# Altium PCB BEAGLEPLAYV020_220915.brd.PcbDoc (part 11 of 12)
Units mm, origin at the board's own origin, x right, y up, seen from the top; angles counter-clockwise.
Board outline 80 x 80 mm, 8 copper layers (TOP, LYR2_GND, LYR3, LAY4_PWR1, LAY5_PWR2, LAY6, LYR7_GND, BOTTOM), stack 1.545 mm thick; 782 components, 546 nets, 2864 pads, 2056 vias.
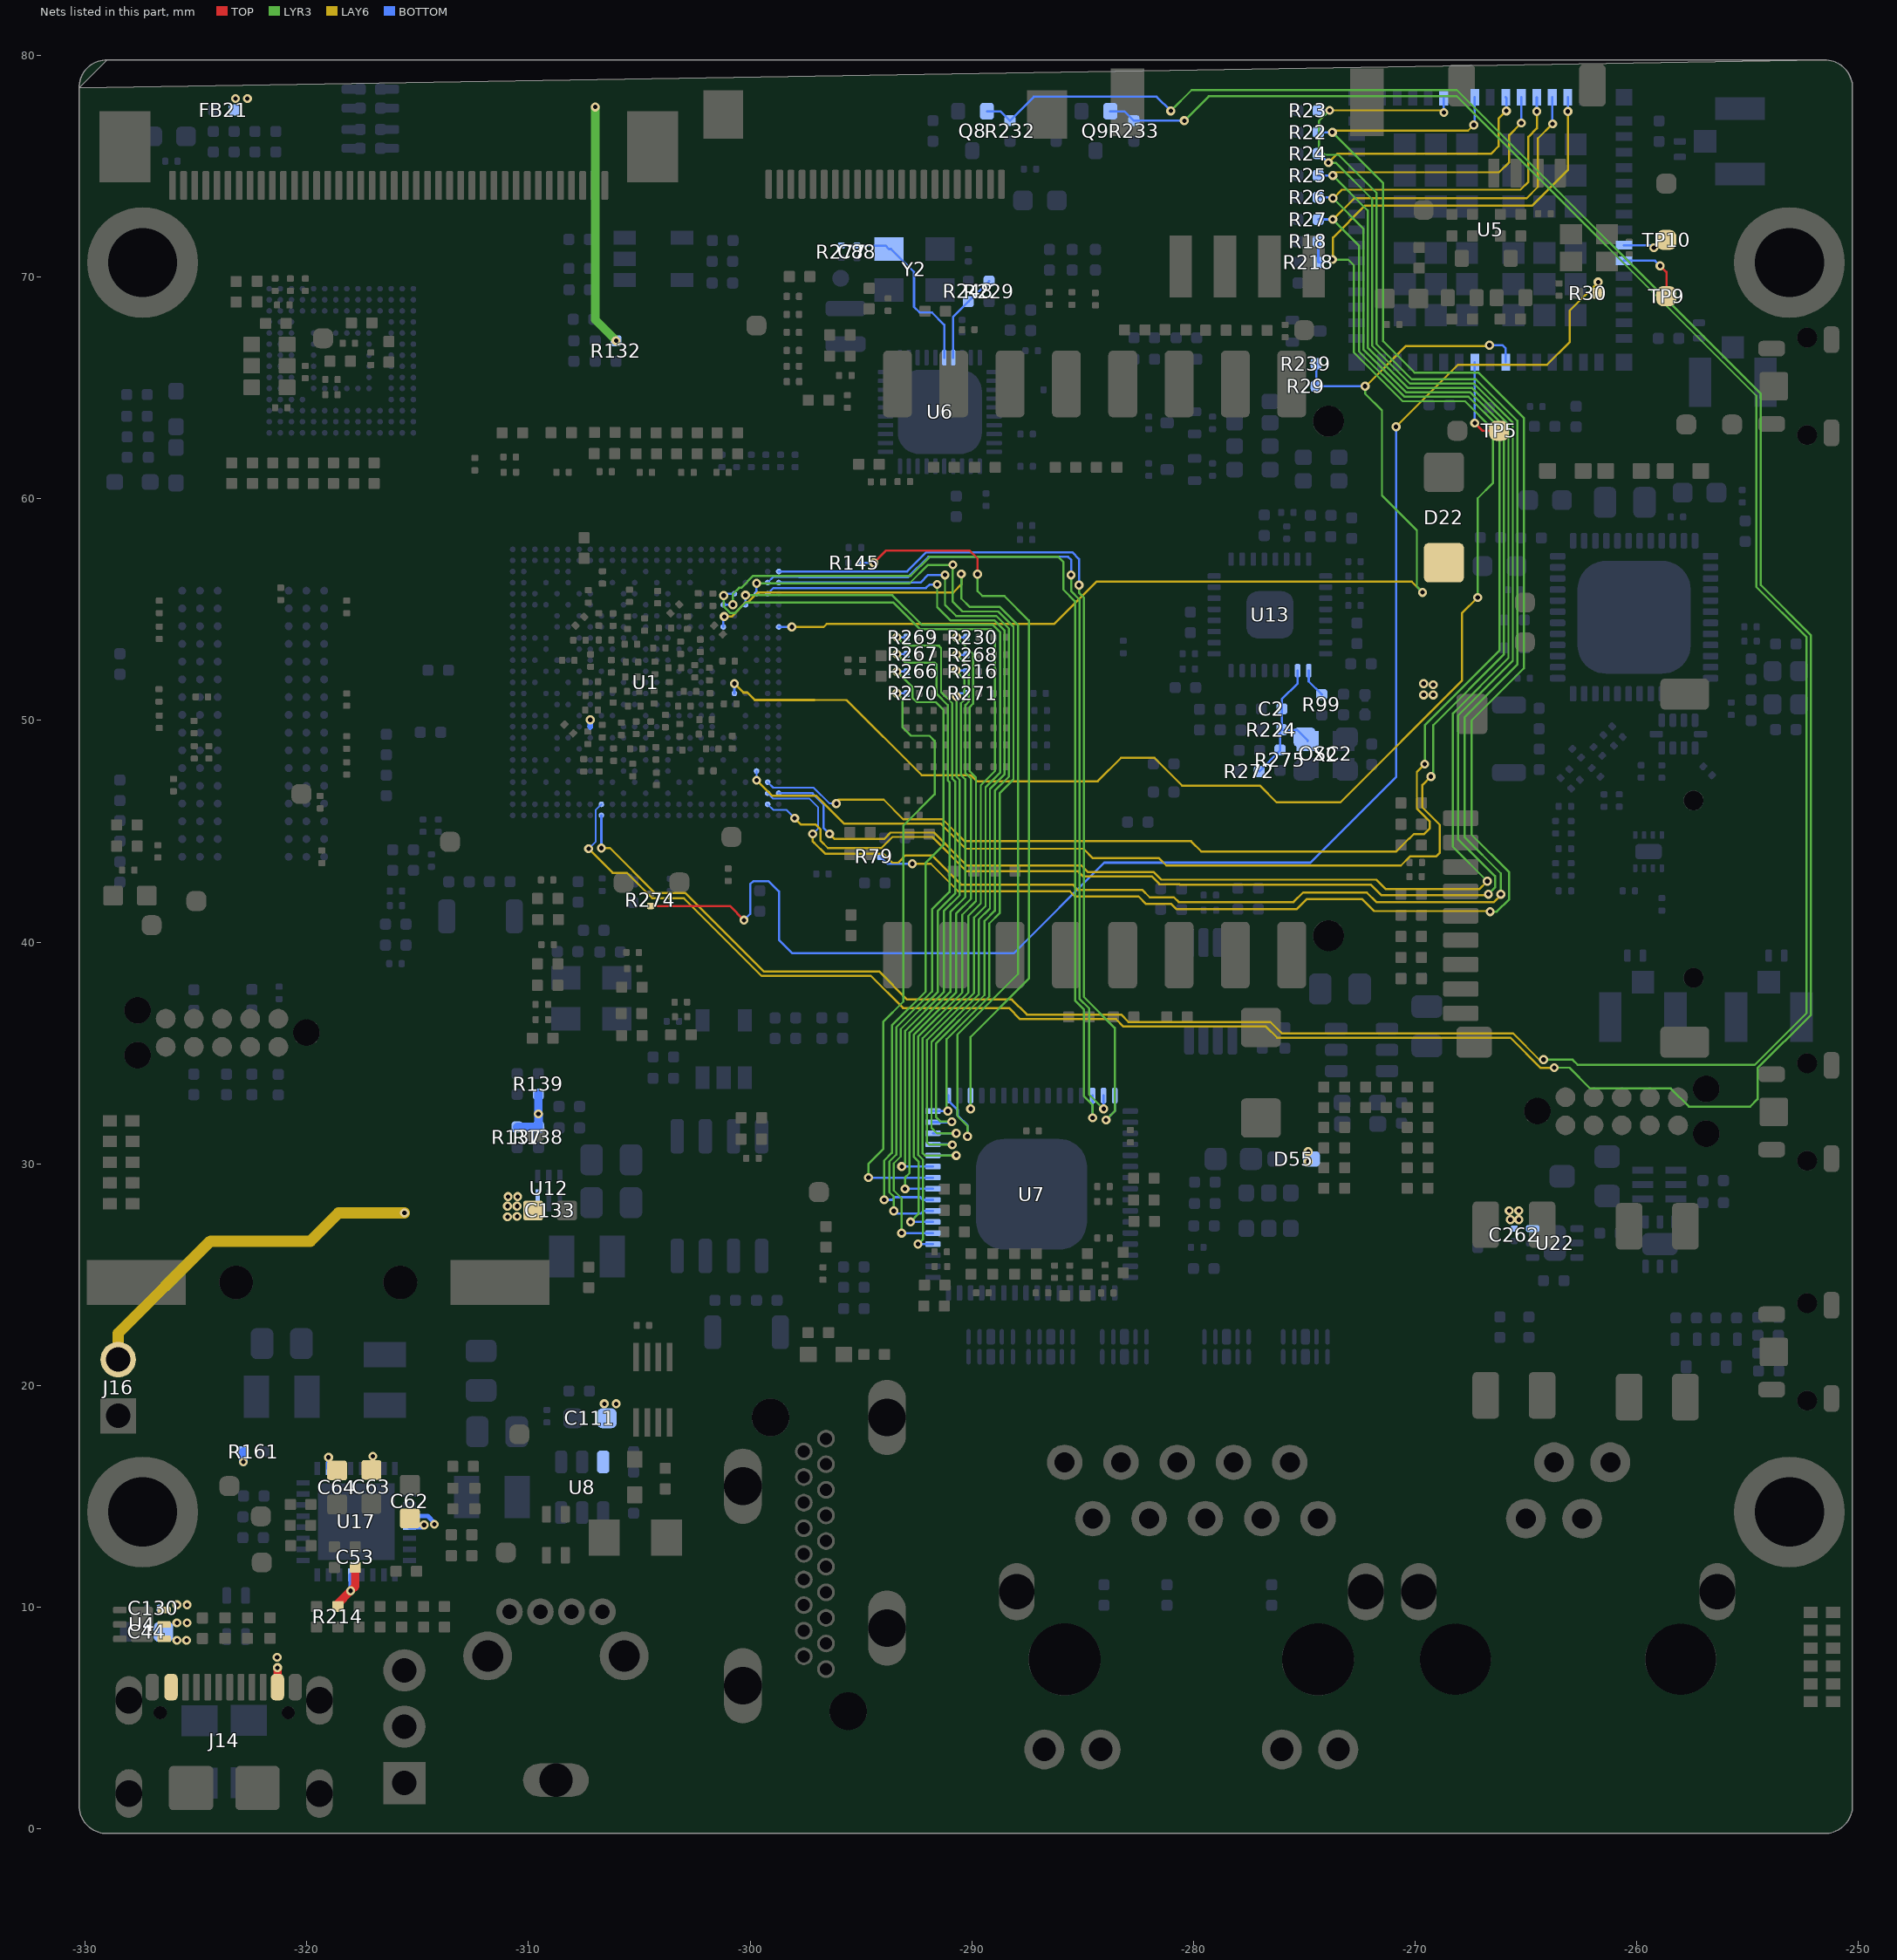
[diagram p17: the nets of this part, all layers, seen from the top]

## Via types
v1: diameter 0.406/0/0.406/0/0/0/0/0.406 (per signal layer), hole 0.203, TOP to BOTTOM, 334 vias
v2: diameter 0.406/0.406/0/0/0/0/0.406/0.406 (per signal layer), hole 0.203, TOP to BOTTOM, 282 vias
v3: diameter 0.406/0/0/0/0/0.406/0/0.406 (per signal layer), hole 0.203, TOP to BOTTOM, 255 vias
v4: diameter 0.406/0.406/0/0/0/0.406/0.406/0.406 (per signal layer), hole 0.203, TOP to BOTTOM, 253 vias
v5: diameter 0.406, hole 0.203, TOP to BOTTOM, 212 vias
v6: diameter 0.406/0.406/0.406/0/0/0.406/0.406/0.406 (per signal layer), hole 0.203, TOP to BOTTOM, 173 vias
v7: diameter 0.406/0/0/0.406/0/0/0/0.406 (per signal layer), hole 0.203, TOP to BOTTOM, 131 vias
v8: diameter 0.406/0/0/0/0.406/0/0/0.406 (per signal layer), hole 0.203, TOP to BOTTOM, 98 vias
v9: diameter 0.406/0.406/0/0.406/0/0/0.406/0.406 (per signal layer), hole 0.203, TOP to BOTTOM, 93 vias
v10: diameter 0.406/0/0.406/0/0/0.406/0/0.406 (per signal layer), hole 0.203, TOP to BOTTOM, 87 vias
v11: diameter 0.406/0.406/0/0.406/0/0.406/0.406/0.406 (per signal layer), hole 0.203, TOP to BOTTOM, 44 vias
v12: diameter 0.406/0.406/0.406/0.406/0/0.406/0.406/0.406 (per signal layer), hole 0.203, TOP to BOTTOM, 40 vias
v13: diameter 0.406/0.406/0.406/0/0/0/0.406/0.406 (per signal layer), hole 0.203, TOP to BOTTOM, 19 vias
v14: diameter 0.406/0/0/0.406/0/0.406/0/0.406 (per signal layer), hole 0.203, TOP to BOTTOM, 15 vias
v15: diameter 0.406/0/0/0/0.406/0.406/0/0.406 (per signal layer), hole 0.203, TOP to BOTTOM, 13 vias
v16: diameter 0.406/0/0.406/0/0.406/0/0/0.406 (per signal layer), hole 0.203, TOP to BOTTOM, 3 vias
v17: diameter 0.406/0/0.406/0.406/0/0/0/0.406 (per signal layer), hole 0.203, TOP to BOTTOM, 3 vias
v18: diameter 0.406/0.406/0.406/0.406/0/0/0.406/0.406 (per signal layer), hole 0.203, TOP to BOTTOM, 1 vias

## Nets (pads, with @x,y where several pads share a name; then routed paths per layer and width w, separated by ;. In a path a pad name is that pad's centre, name@x,y a point inside that pad or via, vN(x,y) a via of type N, cw(c..) or ccw(c..) an arc to the next point about the centre after c; other vN are vias at no path point) (continued)
VOUT0_D10: U1.V20 U7.49 | length 43
  LYR3 w0.097: v10(-290.477,56.606) -290.474,56.604 -290.474,55.499 -290.093,55.118 -288.738,55.118 -287.924,54.304 -287.924,38.561 -290.652,35.833 -290.652,32.156 -290.195,31.699 v1(-290.195,31.242)
  LAY6 w0.097: -297.104,55.781 -290.827,55.781 -290.477,56.131 v10(-290.477,56.606)
  LAY6 w0.102: v3(-301.17,54.685) -300.839,54.685 -300.18,55.344 -300.085,55.344 -299.648,55.781 -297.104,55.781
  BOTTOM w0.102: U1.V20@-301.211,54.219 -301.211,54.645 v3(-301.17,54.685) ; U7.49@-291.055,33.081 -291.055,32.855 -290.639,32.439 -290.639,32.186 -290.195,31.742 v1(-290.195,31.242)
VOUT0_D11: U1.AA23 U7.48 | length 38.3
  LYR3 w0.097: -297.104,56.187 -292.814,56.187 -291.981,57.02 v1(-290.858,57.02) -290.858,55.349 -290.426,54.917 -288.818,54.917 -288.122,54.222 -288.122,47.346 -288.74,46.728 -288.74,41.318 -289.214,40.843 -289.214,37.551 -291.135,35.631 -291.135,32.431 v1(-291.085,32.381)
  LYR3 w0.102: v1(-299.711,56.187) -297.104,56.187
  BOTTOM w0.102: U1.AA23@-299.711,55.719 v1(-299.711,56.187) ; U7.48@-291.755,32.381 v1(-291.085,32.381)
VOUT0_D12: U1.AB25 U7.47 | length 37.4
  LYR3 w0.097: v1(-291.211,56.566) -291.211,55.22 -290.711,54.719 -288.9,54.719 -288.32,54.14 -288.32,47.473 -288.966,46.827 -288.966,41.417 -289.431,40.952 -289.431,37.615 -291.622,35.423 -291.622,32.111 -291.414,31.902 v1(-290.906,31.902)
  BOTTOM w0.102: U1.AB25@-298.711,56.219 -292.319,56.219 -291.973,56.566 v1(-291.211,56.566) ; U7.47@-291.755,31.881 -290.928,31.881 v1(-290.906,31.902)
VOUT0_D13: U1.AA24 U7.46 | length 38.4
  LYR3 w0.097: v1(-291.564,56.134) -291.564,55.115 -290.97,54.521 -288.982,54.521 -288.519,54.057 -288.519,47.573 -289.184,46.908 -289.184,41.524 -289.685,41.023 -289.685,37.641 -291.821,35.506 -291.821,31.623 -291.579,31.381 v1(-290.703,31.381)
  BOTTOM w0.081: U1.AA24@-299.211,55.719 -298.96,55.97 -297.745,55.97
  BOTTOM w0.102: -297.745,55.97 -292.071,55.97 -291.907,56.134 v1(-291.564,56.134) ; U7.46@-291.755,31.381 v1(-290.703,31.381)
VOUT0_D14: U1.Y22 U7.45 | length 39.1
  LYR3 w0.097: -297.104,55.649 -293.59,55.649 -292.264,54.323 -289.065,54.323 -288.717,53.975 -288.717,47.655 -289.382,46.99 -289.382,41.631 -289.902,41.111 -289.902,37.705 -292.019,35.588 -292.019,30.958 -291.922,30.861 v1(-290.881,30.861)
  LYR3 w0.102: v1(-300.211,55.649) -297.104,55.649
  BOTTOM w0.102: U1.Y22@-300.211,55.22 v1(-300.211,55.649) ; U7.45@-291.755,30.881 -291.053,30.881 -291.033,30.861 v1(-290.881,30.861)
VOUT0_D15: U1.AA21 U7.44 | length 41.6
  LYR3 w0.097: -297.104,55.314 -293.535,55.314 -292.346,54.125 -289.147,54.125 -288.95,53.928 -288.95,47.727 -289.598,47.079 -289.598,41.745 -290.156,41.187 -290.156,37.731 -292.217,35.67 -292.217,30.477 -292.12,30.381 v1(-290.703,30.381)
  LYR3 w0.102: v1(-301.192,55.638) -301.192,55.139 -300.903,54.849 -300.675,54.849 -300.21,55.314 -297.104,55.314
  BOTTOM w0.097: v1(-301.192,55.638) -301.181,55.638 -301.1,55.719 U1.AA21@-300.711,55.719
  BOTTOM w0.102: U7.44@-291.755,30.381 v1(-290.703,30.381)
VOUT0_D16: R271.2 U7.43 | length 24.3
  LYR3 w0.097: v1(-293.164,29.881) -293.009,30.036 -293.009,35.999 -291.263,37.746 -291.263,41.401 -290.551,42.113 -290.551,47.324 -290.689,47.463 -290.689,51.015 -290.695,51.02 v1(-290.695,51.088)
  BOTTOM w0.102: v1(-293.164,29.881) U7.43@-291.755,29.881 ; v1(-290.695,51.088) -290.669,51.088 -290.534,51.223 R271.2@-290.245,51.223
VOUT0_D17: R270.2 U7.42 | length 27.6
  LYR3 w0.097: v1(-294.66,29.381) -294.66,30.006 -294,30.666 -294,36.411 -293.091,37.32 -293.091,45.263 -291.68,46.674 -291.68,49.081 -291.909,49.311 -292.744,49.311 -293.136,49.703 -293.136,50.979 v1(-293.38,51.223)
  BOTTOM w0.102: v1(-294.66,29.381) U7.42@-291.755,29.381 ; v1(-293.38,51.223) R270.2@-292.936,51.223
VOUT0_D18: R216.2 U7.41 | length 26.5
  LYR3 w0.097: v1(-293.014,28.875) -293.014,29.388 -292.811,29.591 -292.811,35.917 -290.97,37.758 -290.97,41.363 -290.297,42.037 -290.297,47.351 -290.491,47.545 -290.491,50.775 -290.336,50.93 -290.336,51.852 -290.703,52.218 v1(-290.703,52.248)
  BOTTOM w0.102: v1(-293.014,28.875) -293.009,28.881 U7.41@-291.755,28.881 ; v1(-290.703,52.248) -290.288,52.248 R216.2@-290.245,52.205
VOUT0_D19: R266.2 U7.40 | length 29
  LYR3 w0.097: v1(-293.954,28.381) -293.954,30.151 -293.604,30.502 -293.604,36.246 -292.077,37.773 -292.077,43.584 -291.284,44.377 -291.284,50.492 -291.617,50.825 -292.481,50.825 -292.684,51.029 -292.684,51.509 v1(-293.38,52.205)
  BOTTOM w0.102: v1(-293.954,28.381) -293.589,28.381 -293.472,28.499 -292.329,28.499 -292.211,28.381 U7.40@-291.755,28.381 ; v1(-293.38,52.205) R266.2@-292.936,52.205
VOUT0_D20: R267.2 U7.39 | length 30.4
  LYR3 w0.097: v1(-293.52,27.881) -293.52,28.521 -293.721,28.721 -293.721,30.104 -293.406,30.419 -293.406,36.164 -291.797,37.772 -291.797,41.476 -291.008,42.266 -291.008,47.221 -291.086,47.298 -291.086,50.699 -291.592,51.205 -291.592,52.517 -291.689,52.614 -293.002,52.614 v1(-293.38,52.992)
  BOTTOM w0.102: v1(-293.52,27.881) -293.401,27.762 -292.303,27.762 -292.185,27.881 U7.39@-291.755,27.881 ; v1(-293.38,52.992) R267.2@-292.936,52.992
VOUT0_D21: R268.2 U7.38 | length 28.7
  LYR3 w0.097: v1(-292.768,27.381) -292.405,27.744 -292.405,30.105 -292.613,30.313 -292.613,35.835 -290.703,37.745 -290.703,41.3 -290.043,41.961 -290.043,47.377 -290.293,47.628 -290.293,50.692 -290.138,50.847 -290.138,52.415 v1(-290.689,52.967)
  BOTTOM w0.102: v1(-292.768,27.381) U7.38@-291.755,27.381 ; v1(-290.689,52.967) R268.2@-290.245,52.967
VOUT0_D22: R269.2 U7.37 | length 32
  LYR3 w0.097: v1(-293.38,53.754) -292.992,53.365 -291.485,53.365 -291.389,53.269 -291.389,51.283 -290.887,50.781 -290.887,47.381 -290.754,47.247 -290.754,42.19 -291.461,41.483 ; v1(-293.167,26.881) -293.167,28.448 -293.522,28.804 -293.522,30.022 -293.207,30.337 -293.207,36.082 -291.543,37.746 -291.543,41.4 -291.461,41.482
  BOTTOM w0.102: v1(-293.38,53.754) R269.2@-292.936,53.754 ; v1(-293.167,26.881) U7.37@-291.755,26.881
VOUT0_D23: R230.2 U7.36 | length 30.2
  LYR3 w0.097: v1(-292.429,26.386) -292.202,26.614 -292.202,30.182 -292.415,30.395 -292.415,35.753 -290.436,37.731 -290.436,41.237 -289.814,41.859 -289.814,47.429 -290.095,47.71 -290.095,50.61 -289.94,50.765 -289.94,53 v1(-290.689,53.749)
  BOTTOM w0.102: v1(-292.429,26.386) -292.424,26.381 U7.36@-291.755,26.381 ; v1(-290.689,53.749) R230.2@-290.245,53.749
VOUT0_DE: U1.Y20 U7.62 | length 43.2
  LYR3 w0.097: -297.104,56.523 -292.763,56.523 -291.904,57.381 -286.098,57.381 -285.877,57.16 -285.877,55.909 -285.344,55.376 -285.344,37.365 -284.937,36.959 -284.937,33.045 -284.556,32.664 ; v1(-284.555,32.08) -284.555,32.664
  LYR3 w0.102: v1(-300.782,55.22) -300.782,55.707 -300.505,55.984 -300.403,55.984 -299.865,56.523 -297.104,56.523
  BOTTOM w0.102: U1.Y20@-301.211,55.22 v1(-300.782,55.22) ; v1(-284.555,32.08) U7.62@-284.555,33.081
VOUT0_HSYNC: U1.AB24 U7.63 | length 40.2
  LYR3 w0.097: v1(-285.524,56.566) -285.524,55.836 -285.145,55.458 -285.145,37.448 -284.709,37.011 -284.709,33.122 -284.066,32.479 v1(-284.055,32.479)
  BOTTOM w0.081: U1.AB24@-299.211,56.219 -298.96,56.471 -297.79,56.471
  BOTTOM w0.102: -297.79,56.471 -292.881,56.471 -291.968,57.384 -285.656,57.384 -285.524,57.252 v1(-285.524,56.566) ; v1(-284.055,32.479) U7.63@-284.055,33.081
VOUT0_PCLK: R145.1 U7.51 | length 33.7
  TOP w0.097: -290.093,57.658 -289.743,57.307 -289.743,56.604 v1(-289.745,56.601)
  TOP w0.102: v5(-294.423,57.113) -293.878,57.658 -290.093,57.658
  LYR3 w0.097: v1(-290.055,32.479) -290.055,35.725 -287.426,38.354 -287.426,54.511 -288.532,55.616 -289.524,55.616 -289.745,55.837 v1(-289.745,56.601)
  BOTTOM w0.102: R145.1@-295.015,57.113 v5(-294.423,57.113) ; v1(-290.055,32.479) U7.51@-290.055,33.081
VOUT0_VSYNC: U1.AC25 U7.64 | length 41.4
  LYR3 w0.097: v1(-285.166,56.109) -285.166,55.759 -284.947,55.54 -284.947,37.53 -283.555,36.138 -283.555,32.37 v1(-283.947,31.979)
  BOTTOM w0.102: U1.AC25@-298.711,56.719 -292.92,56.719 -292.052,57.587 -285.476,57.587 -285.166,57.277 v1(-285.166,56.109) ; v1(-283.947,31.979) -283.739,32.187 -283.739,32.198 -283.555,32.381 U7.64@-283.555,33.081
VPP_1V8: J16.2 U1.J8 | length 16.7
  LAY6 w0.508: J16.2@-328.507,21.175 -328.507,22.356 -324.345,26.518 -319.837,26.518 -318.567,27.788 v10(-315.595,27.788)
  BOTTOM w0.254: U1.J8@-307.211,49.719 v1(-307.211,50.03)
VSYS_5V: C44.1 C53.1 C62.1 C63.1 C64.1 C111.1 C130.1 C133.1 C262.1 D22.1 D55.1 FB21.1 J14.B4 J14.B9 R132.2 R137.1 R138.1 R139.1 R161.1 R214.1 U4.4 U4.5 U4.6 U8.3 U12.6 U17.4 U17.5 U17.13 U17.26 U17.30 U22.6 | length 20.6
  TOP w0.381: J14.B4@-321.323,6.4 v7(-321.323,7.277) ; R214.1@-318.596,10.036 -318.596,10.17 v7(-318.021,10.744) -317.813,10.952 C53.1@-317.813,11.802
  LYR3 w0.381: v17(-306.984,77.673) -306.984,68.072 -306.048,67.136 v1(-306.048,67.128)
  BOTTOM w0.203: U17.26@-319.021,16.263 v7(-319.021,16.761) ; v7(-318.021,10.744) U17.13@-318.021,11.463 ; U17.30@-317.021,16.263 v7(-317.021,16.815) ; U17.5@-315.371,13.613 -314.809,13.613 v7(-314.706,13.716) ; U17.4@-315.371,14.113 -314.546,14.113 -314.249,13.816 v7(-314.249,13.741)
  BOTTOM w0.381: v7(-322.865,16.555) R161.1@-322.865,17.018 ; R137.1@-310.511,31.665 -310.51,31.664 R138.1@-309.546,31.664 -309.546,32.251 v7(-309.553,32.258) R139.1@-309.553,33.149
  other v7: -321.335,7.747 -325.857,8.509 -325.425,8.509 -325.857,9.296 -325.399,9.296 -325.857,10.109 -325.399,10.109 -306.578,19.177 -306.045,19.177 -265.709,27.483 -265.328,27.483 -310.947,27.61 -310.515,27.635 -265.76,27.889 -265.328,27.889 -310.947,28.092 -310.515,28.092 -310.921,28.524 -310.49,28.524 -274.828,30.099 -274.828,30.556 -269.621,51.156 -269.189,51.156 -269.189,51.613 -269.621,51.664 -323.215,78.054 -322.682,78.054
WKUP_CLKOUT0: R30.1 R274.2 | length 70.3
  TOP w0.102: R274.2@-304.495,41.631 -300.914,41.631 v5(-300.279,40.996) ; R30.1@-261.747,69.266 v3(-261.747,69.774)
  LAY6 w0.097: v3(-270.866,63.246) -268.072,66.04 -264.058,66.04 -263.04,67.059 -263.04,68.481 v3(-261.747,69.774)
  BOTTOM w0.102: v5(-300.279,40.996) -299.999,41.275 -299.999,42.547 -299.996,42.55 -299.995,42.617 -299.862,42.75 -299.257,42.75 -299.162,42.749 -298.704,42.291 -298.704,40.107 -298.094,39.497 -288.112,39.497 -284.023,43.586 -274.726,43.586 -270.866,47.447 v3(-270.866,63.246)
WKUP_I2C0_SCL: Q8.2 R232.2 U1.B9 | length 135.5
  LYR3 w0.097: v1(-281.026,77.495) -280.086,78.435 -268.12,78.435 -254.411,64.726 -254.411,56.108 -252.146,53.842 -252.146,36.728 -254.559,34.314 -254.559,32.918 -254.889,32.588 -257.658,32.588 -258.47,33.401 -262.105,33.401 -263.044,34.341 v10(-263.728,34.341)
  LAY6 w0.097: v3(-307.289,44.214) -306.205,43.129 -305.562,43.129 -304.414,41.981 -302.992,41.981 -299.491,38.481 -294.554,38.481 -293.102,37.028 -288.326,37.028 -287.823,36.525 -283.489,36.525 -283.159,36.195 -276.733,36.195 -276.23,35.692 -265.706,35.692 -264.342,34.328 -263.741,34.328 v10(-263.728,34.341)
  BOTTOM w0.081: v3(-307.289,44.214) -306.96,44.543 -306.96,45.97 U1.B9@-306.711,46.219
  BOTTOM w0.102: Q8.2@-289.318,77.479 -288.704,77.479 R232.2@-288.277,77.052 -287.198,78.132 -281.662,78.132 v1(-281.026,77.495)
WKUP_I2C0_SDA: Q9.2 R233.2 U1.A9 | length 125
  LYR3 w0.097: v1(-280.416,77.052) -279.312,78.156 -268.121,78.156 -254.61,64.644 -254.61,56.025 -252.344,53.759 -252.344,36.81 -254.685,34.468 -262.673,34.468 -262.901,34.697 -264.201,34.697 v10(-264.211,34.707)
  LAY6 w0.097: v3(-306.711,44.247) -306.324,44.247 -304.292,42.215 -302.92,42.215 -299.39,38.684 -294.183,38.684 -292.915,37.417 -288.197,37.417 -287.518,36.738 -283.271,36.738 -282.931,36.398 -276.53,36.398 -276.022,35.89 -265.59,35.89 -264.406,34.707 v10(-264.211,34.707)
  BOTTOM w0.102: v3(-306.711,44.247) U1.A9@-306.711,45.719 ; Q9.2@-283.756,77.479 -283.116,77.479 R233.2@-282.689,77.052 v1(-280.416,77.052)
WL_CLK: R22.1 R79.2 U5.8 | length 80
  LYR3 w0.097: v10(-273.736,76.531) -271.445,74.24 -271.445,67.105 -270.035,65.694 -267.145,65.694 -265.1,63.649 -265.1,52.349 -267.462,49.987 -267.462,44.856 -265.76,43.155 -265.76,41.935 -266.319,41.377 v10(-266.624,41.377)
  LAY6 w0.097: v3(-292.684,43.536) -291.85,43.536 -290.611,42.296 -285.577,42.296 -285.344,42.062 -282.476,42.062 -282.136,41.722 -281.008,41.722 -280.784,41.499 -275.341,41.499 -274.899,41.94 -272.39,41.94 -271.851,41.402 -266.649,41.402 v10(-266.624,41.377) ; v10(-273.736,76.531) -273.661,76.606 -267.614,76.606 v3(-267.36,76.86)
  BOTTOM w0.097: R79.2@-294.132,43.865 -293.803,43.536 v3(-292.684,43.536)
  BOTTOM w0.102: R22.1@-274.373,76.531 v10(-273.736,76.531) ; v3(-267.36,76.86) -267.315,76.906 U5.8@-267.315,78.111
WL_CMD: R23.2 U1.C24 U5.6 | length 86.5
  LYR3 w0.097: v10(-273.863,77.521) -274.345,77.038 -274.345,75.794 -274.066,75.514 -273.456,75.514 -271.745,73.803 -271.745,66.981 -270.159,65.394 -267.269,65.394 -265.4,63.524 -265.4,52.524 -267.767,50.156 -267.767,44.729 -266.141,43.104 v10(-266.141,42.164)
  LAY6 w0.097: -297.104,44.475 -296.621,43.993 -294.005,43.993 -293.599,43.586 -293.319,43.586 -292.989,43.917 -291.807,43.917 -290.486,42.596 -285.453,42.596 -285.219,42.362 -282.316,42.362 -281.976,42.022 -280.883,42.022 -280.67,41.808 -275.488,41.808 -275.057,42.24 -272.186,42.24 -271.755,41.809 -266.445,41.809 -266.141,42.113 v10(-266.141,42.164) ; v10(-273.863,77.521) -268.808,77.521 v3(-268.707,77.419)
  LAY6 w0.102: v3(-297.18,44.882) -297.18,44.552 -297.104,44.475
  BOTTOM w0.081: U1.C24@-299.211,46.719 -298.962,46.471 -297.321,46.471 -296.931,46.081 -296.931,45.131 v3(-297.18,44.882)
  BOTTOM w0.102: R23.2@-274.373,77.516 -273.868,77.516 v10(-273.863,77.521) ; U5.6@-268.715,78.111 -268.715,77.427 v3(-268.707,77.419)
WL_D0: R24.2 U1.B24 U5.10 | length 86.1
  LYR3 w0.097: v10(-273.914,75.159) -273.583,75.159 -271.943,73.519 -271.943,66.898 -270.241,65.196 -267.352,65.196 -265.598,63.442 -265.598,52.69 -268.072,50.216 -268.072,44.653 -266.398,42.979 -266.398,42.466 v10(-266.7,42.164)
  LAY6 w0.097: -297.104,45.314 -297.053,45.314 -296.824,45.085 -296.824,44.577 -296.494,44.247 -294.081,44.247 -293.582,44.746 -291.789,44.746 -290.238,43.195 -285.205,43.195 -284.971,42.962 -281.874,42.962 -281.534,42.621 -280.635,42.621 -280.61,42.596 -272.009,42.596 -271.526,42.113 -266.751,42.113 v10(-266.7,42.164) ; v10(-273.914,75.159) -273.503,75.569 -266.569,75.569 -266.243,75.895 -266.243,77.14 v3(-265.887,77.495)
  LAY6 w0.102: v3(-297.993,45.593) -297.713,45.314 -297.104,45.314
  BOTTOM w0.081: U1.B24@-299.211,46.219 -298.962,45.97 -298.37,45.97 v3(-297.993,45.593)
  BOTTOM w0.102: R24.2@-274.373,75.569 -274.324,75.569 v10(-273.914,75.159) ; U5.10@-265.915,78.111 -265.887,78.084 v3(-265.887,77.495)
WL_D1: R25.2 U1.C25 U5.11 | length 85.3
  LYR3 w0.097: v10(-273.719,74.583) -272.141,73.005 -272.141,66.816 -270.319,64.994 -267.429,64.994 -265.796,63.36 -265.796,52.822 -268.3,50.317 -268.3,44.298 v10(-266.751,42.748)
  LAY6 w0.097: v3(-296.418,44.882) -296.189,44.653 -293.955,44.653 -293.664,44.944 -291.707,44.944 -290.222,43.459 -285.056,43.459 -284.757,43.16 -281.792,43.16 -281.451,42.819 -271.75,42.819 -271.323,42.393 -267.106,42.393 v10(-266.751,42.748) ; v10(-273.719,74.583) -273.575,74.727 -266.217,74.727 -265.76,75.184 -265.76,76.404 v3(-265.215,76.95)
  BOTTOM w0.102: U1.C25@-298.711,46.719 -297.189,46.719 -296.697,46.228 -296.697,45.161 v3(-296.418,44.882) ; R25.2@-274.373,74.583 v10(-273.719,74.583) ; v3(-265.215,76.95) U5.11@-265.215,78.111
WL_D2: R26.2 U1.E23 U5.12 | length 83.1
  LYR3 w0.097: v10(-273.71,73.558) -272.34,72.188 -272.34,66.734 -270.401,64.795 -267.512,64.795 -265.994,63.277 -265.994,52.984 -269.189,49.789 -269.189,47.574 v10(-269.291,47.473)
  LAY6 w0.097: -297.028,46.609 -295.758,45.339 -294.438,45.339 -294.431,45.346 -291.404,45.346 -290.274,44.216 -284.965,44.216 -284.539,43.79 -281.559,43.79 -281.229,43.459 -270.645,43.459 -270.238,43.866 -269.062,43.866 -268.884,44.044 -268.884,45.288 -269.672,46.076 -269.672,47.092 v10(-269.291,47.473) ; v10(-273.71,73.558) -273.685,73.558 -273.304,73.939 -265.252,73.939 -264.897,74.295 -264.897,76.327 -264.515,76.709 v3(-264.515,77.47)
  LAY6 w0.102: v3(-299.711,47.304) -299.016,46.609 -297.028,46.609
  BOTTOM w0.081: v3(-299.711,47.304) U1.E23@-299.711,47.719
  BOTTOM w0.102: R26.2@-274.373,73.597 -273.749,73.597 v10(-273.71,73.558) ; v3(-264.515,77.47) U5.12@-264.515,78.111
WL_D3: R27.2 U1.D24 U5.13 | length 80.7
  LYR3 w0.097: v10(-273.718,72.601) -272.538,71.42 -272.538,66.651 -270.484,64.597 -267.594,64.597 -266.192,63.195 -266.192,53.162 -269.57,49.784 v10(-269.57,48.031)
  LAY6 w0.097: v3(-296.113,46.253) -296.113,46.332 -296.017,46.429 -293.977,46.429 -293.092,45.544 -291.321,45.544 -290.329,44.552 -280.111,44.552 -279.654,44.094 -270.858,44.094 -270.275,44.677 -270.258,44.677 -270.053,44.882 -269.596,44.882 -269.342,45.136 -269.342,45.441 -269.926,46.025 -269.926,47.676 v10(-269.57,48.031) ; v10(-273.718,72.601) -273.703,72.601 -272.745,73.558 -264.973,73.558 -264.465,74.066 -264.465,76.251 v3(-263.804,76.911)
  BOTTOM w0.081: U1.D24@-299.211,47.22 -298.962,46.971 -297.135,46.971 -296.418,46.253 v3(-296.113,46.253)
  BOTTOM w0.102: R27.2@-274.373,72.601 v10(-273.718,72.601) ; U5.13@-263.815,78.111 -263.815,76.921 v3(-263.804,76.911)
WL_EN: R29.1 R239.1 U1.V25 U5.40 | length 51.5
  LYR3 w0.097: v10(-272.263,65.075) -272.263,64.745 -271.501,63.983 -271.501,60.147 -269.926,58.572 -269.926,56.032 v10(-269.672,55.778)
  LAY6 w0.097: -297.104,54.219 -296.683,54.219 -296.552,54.35 -286.29,54.35 -284.378,56.261 -270.154,56.261 v10(-269.672,55.778) ; v10(-272.263,65.075) -272.237,65.075 -270.431,66.881 -266.697,66.881 v3(-266.649,66.929)
  LAY6 w0.102: v3(-298.12,54.219) -297.104,54.219
  BOTTOM w0.102: U1.V25@-298.711,54.219 v3(-298.12,54.219) ; R239.1@-274.467,66.091 R29.1@-274.467,65.075 v10(-272.263,65.075) ; v3(-266.649,66.929) -266.065,66.929 -265.915,66.779 U5.40@-265.915,66.161
WL_IRQ: R18.1 R218.1 U1.M21 U5.14 | length 81

## Text inside footprints (layer, text, board x,y; h text height)
J4: PIN_NUMBER "20" at -300.837,6.463 h0.64 r90; PIN_NUMBER "21" at -300.837,15.463 h0.64 r90; PIN_NUMBER "22" at -294.337,9.063 h0.64 r90; PIN_NUMBER "23" at -294.337,18.563 h0.64 r90; PIN_NUMBER "4" at -297.833,8.946 h0.64; PIN_NUMBER "19" at -297.087,17.608 h0.64; PIN_NUMBER "18" at -298.087,17.031 h0.64; PIN_NUMBER "15" at -297.087,15.298 h0.64; PIN_NUMBER "3" at -296.833,8.368 h0.64; PIN_NUMBER "16" at -298.087,15.876 h0.64; PIN_NUMBER "1" at -296.833,7.213 h0.64; PIN_NUMBER "12" at -298.087,13.566 h0.64; PIN_NUMBER "13" at -297.087,14.143 h0.64; PIN_NUMBER "7" at -296.833,10.678 h0.64; PIN_NUMBER "9" at -296.833,11.833 h0.64; PIN_NUMBER "10" at -298.087,12.411 h0.64; PIN_NUMBER "6" at -297.833,10.101 h0.64; PIN_NUMBER "2" at -297.833,7.791 h0.64; PIN_NUMBER "8" at -297.833,11.256 h0.64; PIN_NUMBER "5" at -296.833,9.523 h0.64; PIN_NUMBER "11" at -297.087,12.988 h0.64; PIN_NUMBER "17" at -297.087,16.453 h0.64; PIN_NUMBER "14" at -298.087,14.721 h0.64; ASSEMBLY_TOP "TYPE_A" at -298.222,6.075 h0.64
J5: PIN_NUMBER "3" at -257.405,65.253 h0.64 r90; PIN_NUMBER "2" at -254.455,65.253 h0.64 r90; PIN_NUMBER "1" at -255.93,66.828 h0.64 r90; ASSEMBLY_TOP "U.FL-R-SMT-1(10)" at -255.422,64.77 h0.64 r90
J6: PIN_NUMBER "2" at -315.851,4.617 h0.64 r180; PIN_NUMBER "3" at -315.851,7.157 h0.64 r180; PIN_NUMBER "1" at -315.851,2.077 h0.64 r180; ASSEMBLY_TOP "Header 1x3 2.54mm" at -315.343,6.141 h0.64 r180
J7: PIN_NUMBER "3" at -277.088,70.486 h0.64; PIN_NUMBER "1" at -281.088,70.486 h0.64; PIN_NUMBER "2" at -279.088,70.486 h0.64; PIN_NUMBER "6" at -283.549,77.886 h0.71 r90; PIN_NUMBER "4" at -275.088,70.486 h0.64; PIN_NUMBER "5" at -272.749,77.886 h0.71 r90; ASSEMBLY_TOP "4P-2.0mm-90D" at -282.28,72.786 h0.64
J8: PIN_NUMBER "37" at -325.064,74.131 h0.64 r180; PIN_NUMBER "36" at -324.564,74.131 h0.64 r180; PIN_NUMBER "38" at -325.564,74.131 h0.64 r180; PIN_NUMBER "28" at -320.564,74.131 h0.64 r180; PIN_NUMBER "31" at -322.064,74.131 h0.64 r180; PIN_NUMBER "25" at -319.064,74.131 h0.64 r180; PIN_NUMBER "13" at -313.064,74.131 h0.64 r180; PIN_NUMBER "16" at -314.564,74.131 h0.64 r180; PIN_NUMBER "19" at -316.064,74.131 h0.64 r180; PIN_NUMBER "7" at -309.81,74.131 h0.64 r180; PIN_NUMBER "10" at -311.564,74.131 h0.64 r180; PIN_NUMBER "4" at -308.31,74.131 h0.64 r180; PIN_NUMBER "42" at -328.714,75.881 h0.64 r270; PIN_NUMBER "40" at -326.564,74.131 h0.64 r180; PIN_NUMBER "41" at -304.914,75.881 h0.64 r270; PIN_NUMBER "1" at -306.81,74.131 h0.64 r180; PIN_NUMBER "22" at -317.564,74.131 h0.64 r180; PIN_NUMBER "24" at -318.564,74.131 h0.64 r180; PIN_NUMBER "23" at -318.064,74.131 h0.64 r180; PIN_NUMBER "14" at -313.564,74.131 h0.64 r180; PIN_NUMBER "21" at -317.064,74.131 h0.64 r180; PIN_NUMBER "3" at -307.81,74.131 h0.64 r180; PIN_NUMBER "6" at -309.31,74.131 h0.64 r180; PIN_NUMBER "9" at -310.81,74.131 h0.64 r180; PIN_NUMBER "12" at -312.564,74.131 h0.64 r180; PIN_NUMBER "15" at -314.064,74.131 h0.64 r180; PIN_NUMBER "18" at -315.564,74.131 h0.64 r180; PIN_NUMBER "11" at -312.064,74.131 h0.64 r180; PIN_NUMBER "8" at -310.31,74.131 h0.64 r180; PIN_NUMBER "5" at -308.81,74.131 h0.64 r180; PIN_NUMBER "20" at -316.564,74.131 h0.64 r180; PIN_NUMBER "17" at -315.064,74.131 h0.64 r180; PIN_NUMBER "2" at -307.31,74.131 h0.64 r180; PIN_NUMBER "39" at -326.064,74.131 h0.64 r180; PIN_NUMBER "32" at -322.564,74.131 h0.64 r180; PIN_NUMBER "33" at -323.064,74.131 h0.64 r180; PIN_NUMBER "34" at -323.564,74.131 h0.64 r180; PIN_NUMBER "35" at -324.064,74.131 h0.64 r180; PIN_NUMBER "29" at -321.064,74.131 h0.64 r180; PIN_NUMBER "30" at -321.564,74.131 h0.64 r180; PIN_NUMBER "27" at -320.064,74.131 h0.64 r180; PIN_NUMBER "26" at -319.564,74.131 h0.64 r180; ASSEMBLY_TOP "FPC 40pin-0.5mm" at -315.29,76.844 h0.64 r180
J9: PIN_NUMBER "1" at -259.983,38.202 h0.64 r90; PIN_NUMBER "3" at -261.458,36.627 h0.64 r90; PIN_NUMBER "2" at -258.508,36.627 h0.64 r90; ASSEMBLY_TOP "U.FL-R-SMT-1(10)" at -259.475,36.144 h0.64 r90
J10: PIN_NUMBER "1" at -327.939,24.653 h0.64 r90; PIN_NUMBER "2" at -311.539,24.653 h0.64 r90; ASSEMBLY_TOP "CR1220" at -316.185,19.654 h0.64 r90
J11: PIN_NUMBER "4" at -259.668,31.739 h0.64; PIN_NUMBER "10" at -263.732,33.009 h0.64; PIN_NUMBER "2" at -262.208,31.739 h0.64; PIN_NUMBER "1" at -263.478,31.739 h0.64; PIN_NUMBER "3" at -260.938,31.739 h0.64; PIN_NUMBER "5" at -258.398,31.739 h0.64; PIN_NUMBER "6" at -258.398,33.009 h0.64; PIN_NUMBER "8" at -260.938,33.009 h0.64; PIN_NUMBER "9" at -262.208,33.009 h0.64; PIN_NUMBER "7" at -259.668,33.009 h0.64; ASSEMBLY_TOP "TC2050-IDC" at -261.573,32.247 h0.64
J12: PIN_NUMBER "1" at -254.31,38.202 h0.64 r90; PIN_NUMBER "3" at -255.785,36.627 h0.64 r90; PIN_NUMBER "2" at -252.835,36.627 h0.64 r90; ASSEMBLY_TOP "U.FL-R-SMT-1(10)" at -253.802,36.144 h0.64 r90
J13: PIN_NUMBER "5" at -305.936,7.804 h0.64 r90; PIN_NUMBER "7" at -309.016,2.204 h0.64 r90; PIN_NUMBER "6" at -312.096,7.804 h0.64 r90; PIN_NUMBER "2" at -308.316,9.804 h0.64 r90; PIN_NUMBER "3" at -309.716,9.804 h0.64 r90; PIN_NUMBER "4" at -311.116,9.804 h0.64 r90; PIN_NUMBER "1" at -306.916,9.804 h0.64 r90; ASSEMBLY_TOP "ST-USB-117A" at -309.27,4.724 h0.64 r90
J14: PIN_NUMBER "A8" at -323.489,6.4 h0.64 r180; PIN_NUMBER "B8" at -326.489,6.4 h0.64 r180; PIN_NUMBER "S3" at -319.931,1.6 h0.64 r90; PIN_NUMBER "S2" at -328.531,5.8 h0.64 r90; PIN_NUMBER "S1" at -328.531,1.6 h0.64 r90; PIN_NUMBER "S4" at -319.931,5.8 h0.64 r90; PIN_NUMBER "S5" at -326.239,1.85 h0.64 r180; PIN_NUMBER "S6" at -323.239,1.85 h0.64 r180; PIN_NUMBER "A5" at -325.989,6.4 h0.64 r180; PIN_NUMBER "B7" at -325.489,6.4 h0.64 r180; PIN_NUMBER "A7" at -324.489,6.4 h0.64 r180; PIN_NUMBER "B5" at -322.989,6.4 h0.64 r180; PIN_NUMBER "A6" at -324.989,6.4 h0.64 r180; PIN_NUMBER "B6" at -323.989,6.4 h0.64 r180; PIN_NUMBER "B9" at -327.139,6.4 h0.64 r180; PIN_NUMBER "B4" at -322.339,6.4 h0.64 r180; PIN_NUMBER "B12" at -328.497,6.4 h0.64 r180; PIN_NUMBER "B1" at -321.539,6.4 h0.64 r180; ASSEMBLY_TOP "TYPE-C 2.0" at -322.707,3.81 h0.64 r90
J16: PIN_NUMBER "2" at -328.761,21.175 h0.64 r180; PIN_NUMBER "1" at -328.761,18.635 h0.64 r180; ASSEMBLY_TOP "Header 1x2 2.54mm" at -328.888,20.032 h0.64 r180
J17: PIN_NUMBER "22" at -289.169,74.187 h0.64 r180; PIN_NUMBER "17" at -291.669,74.187 h0.64 r180; PIN_NUMBER "1" at -299.415,74.187 h0.64 r180; PIN_NUMBER "4" at -297.915,74.187 h0.64 r180; PIN_NUMBER "7" at -296.415,74.187 h0.64 r180; PIN_NUMBER "10" at -295.169,74.187 h0.64 r180; PIN_NUMBER "16" at -292.169,74.187 h0.64 r180; PIN_NUMBER "13" at -293.669,74.187 h0.64 r180; PIN_NUMBER "19" at -290.669,74.187 h0.64 r180; PIN_NUMBER "23" at -287.119,77.334 h0.64 r270; PIN_NUMBER "24" at -301.719,77.334 h0.64 r270; PIN_NUMBER "6" at -296.915,74.187 h0.64 r180; PIN_NUMBER "18" at -291.169,74.187 h0.64 r180; PIN_NUMBER "5" at -297.415,74.187 h0.64 r180; PIN_NUMBER "2" at -298.915,74.187 h0.64 r180; PIN_NUMBER "3" at -298.415,74.187 h0.64 r180; PIN_NUMBER "20" at -290.169,74.187 h0.64 r180; PIN_NUMBER "21" at -289.669,74.187 h0.64 r180; PIN_NUMBER "8" at -295.915,74.187 h0.64 r180; PIN_NUMBER "11" at -294.669,74.187 h0.64 r180; PIN_NUMBER "14" at -293.169,74.187 h0.64 r180; PIN_NUMBER "12" at -294.169,74.187 h0.64 r180; PIN_NUMBER "15" at -292.669,74.187 h0.64 r180; PIN_NUMBER "9" at -295.415,74.187 h0.64 r180; ASSEMBLY_TOP "FPC 22P 0.5mm" at -292.539,76.984 h0.64 r180
J18: PIN_NUMBER "2" at -264.707,74.693 h0.64 r180; PIN_NUMBER "6" at -268.157,78.643 h0.64 r180; PIN_NUMBER "1" at -263.707,74.693 h0.64 r180; PIN_NUMBER "5" at -262.257,78.643 h0.64 r180; PIN_NUMBER "4" at -266.707,74.693 h0.64 r180; PIN_NUMBER "3" at -265.707,74.693 h0.64 r180; ASSEMBLY_TOP "4P-1.0mm" at -264.826,76.598 h0.64 r180
J19: PIN_NUMBER "1" at -321.539,36.551 h0.64 r180; PIN_NUMBER "6" at -326.619,35.281 h0.64 r180; PIN_NUMBER "7" at -325.349,35.281 h0.64 r180; PIN_NUMBER "5" at -326.619,36.551 h0.64 r180; PIN_NUMBER "3" at -324.079,36.551 h0.64 r180; PIN_NUMBER "10" at -321.793,35.281 h0.64 r180; PIN_NUMBER "9" at -322.809,35.281 h0.64 r180; PIN_NUMBER "4" at -325.349,36.551 h0.64 r180; PIN_NUMBER "8" at -324.079,35.281 h0.64 r180; PIN_NUMBER "2" at -322.809,36.551 h0.64 r180; ASSEMBLY_TOP "TC2050-IDC" at -322.936,36.043 h0.64 r180
J21: PIN_NUMBER "12" at -286.243,39.419 h0.64 r180; PIN_NUMBER "11" at -288.783,39.419 h0.64 r180; PIN_NUMBER "13" at -283.703,39.419 h0.64 r180; PIN_NUMBER "14" at -281.163,39.419 h0.64 r180; PIN_NUMBER "8" at -293.609,65.179 h0.64 r180; PIN_NUMBER "7" at -291.069,65.179 h0.64 r180; PIN_NUMBER "10" at -291.323,39.419 h0.64 r180; PIN_NUMBER "9" at -293.609,39.419 h0.64 r180; PIN_NUMBER "15" at -278.623,39.419 h0.64 r180; PIN_NUMBER "16" at -276.083,39.419 h0.64 r180; PIN_NUMBER "1" at -275.829,65.179 h0.64 r180; PIN_NUMBER "6" at -288.529,65.179 h0.64 r180; PIN_NUMBER "5" at -285.989,65.179 h0.64 r180; PIN_NUMBER "4" at -283.449,65.179 h0.64 r180; PIN_NUMBER "3" at -280.909,65.179 h0.64 r180; PIN_NUMBER "2" at -278.369,65.179 h0.64 r180; ASSEMBLY_TOP "L" at -322.184,53.188 h0.64 r180; ASSEMBLY_TOP "M" at -309.001,53.061 h0.64 r180; ASSEMBLY_TOP "S" at -299.908,52.756 h0.64 r180; ASSEMBLY_TOP "MikroBus Female" at -284.211,52.172 h0.64 r180
J24: PIN_NUMBER "10" at -274.894,14 h0.64; PIN_NUMBER "16" at -272.734,10.701 h0.64 r90; PIN_NUMBER "15" at -288.484,10.701 h0.64 r90; PIN_NUMBER "1" at -286.07,16.54 h0.64; PIN_NUMBER "13" at -276.519,3.591 h0.64; PIN_NUMBER "5" at -280.99,16.54 h0.64; PIN_NUMBER "14" at -273.979,3.591 h0.64; PIN_NUMBER "3" at -283.53,16.54 h0.64; PIN_NUMBER "2" at -284.8,14 h0.64; PIN_NUMBER "6" at -279.72,14 h0.64; PIN_NUMBER "12" at -284.698,3.591 h0.64; PIN_NUMBER "7" at -278.45,16.54 h0.64; PIN_NUMBER "8" at -277.18,14 h0.64; PIN_NUMBER "9" at -275.91,16.54 h0.64; PIN_NUMBER "4" at -282.26,14 h0.64; PIN_NUMBER "11" at -287.238,3.591 h0.64; ASSEMBLY_TOP "LPJG0933H11NL" at -280.355,7.777 h0.64
L1: PIN_NUMBER "2" at -267.072,27.26 h0.64; PIN_NUMBER "1" at -264.532,27.26 h0.64; PIN_NUMBER "3" at -267.072,19.56 h0.64; PIN_NUMBER "4" at -264.532,19.56 h0.64; ASSEMBLY_TOP "500uH" at -265.421,23.664 h0.64 r270
L2: PIN_NUMBER "4" at -258.064,19.484 h0.64; PIN_NUMBER "3" at -260.604,19.484 h0.64; PIN_NUMBER "1" at -258.064,27.183 h0.64; PIN_NUMBER "2" at -260.604,27.183 h0.64; ASSEMBLY_TOP "500uH" at -258.953,23.587 h0.64 r270
L3: PIN_NUMBER "2" at -259.913,59.837 h0.64; PIN_NUMBER "1" at -261.691,59.837 h0.64; ASSEMBLY_TOP "6.8uH" at -260.802,59.71 h0.64
L4: PIN_NUMBER "4" at -309.695,14.201 h0.64; PIN_NUMBER "1" at -308.845,14.201 h0.64; PIN_NUMBER "2" at -308.845,12.351 h0.64; PIN_NUMBER "3" at -309.695,12.351 h0.64; ASSEMBLY_TOP "90R" at -308.889,13.53 h0.64 r270
L5: PIN_NUMBER "1" at -262.297,47.857 h0.64 r315; PIN_NUMBER "2" at -261.902,47.461 h0.64 r315; ASSEMBLY_TOP "12nH" at -261.845,48.018 h0.64 r315
L6: PIN_NUMBER "1" at -260.895,49.258 h0.64 r225; PIN_NUMBER "2" at -261.29,48.863 h0.64 r225; ASSEMBLY_TOP "1nH" at -260.479,49.061 h0.64 r225
L7: PIN_NUMBER "1" at -262.21,48.805 h0.64 r315; PIN_NUMBER "2" at -261.814,48.41 h0.64 r315; ASSEMBLY_TOP "27nH" at -261.758,48.967 h0.64 r315
L8: PIN_NUMBER "1" at -263.222,43.561 h0.64 r270; PIN_NUMBER "2" at -263.222,43.002 h0.64 r270; ASSEMBLY_TOP "4.7nH" at -262.714,43.536 h0.64 r270
L9: PIN_NUMBER "2" at -263.919,44.907 h0.64 r270; PIN_NUMBER "1" at -263.919,45.466 h0.64 r270; ASSEMBLY_TOP "3.9nH" at -263.411,45.441 h0.64 r270
L10: PIN_NUMBER "1" at -261.37,49.733 h0.64 r225; PIN_NUMBER "2" at -261.765,49.338 h0.64 r225; ASSEMBLY_TOP "1nH" at -260.954,49.535 h0.64 r225
L11: PIN_NUMBER "1" at -263.302,47.801 h0.64 r225; PIN_NUMBER "2" at -263.697,47.405 h0.64 r225; ASSEMBLY_TOP "12nH" at -262.886,47.603 h0.64 r225
L12: PIN_NUMBER "2" at -263.919,43.561 h0.64 r90; PIN_NUMBER "1" at -263.919,43.002 h0.64 r90; ASSEMBLY_TOP "2.5nH" at -263.919,43.028 h0.64 r90
L13: PIN_NUMBER "4" at -323.274,10.529 h0.64 r180; PIN_NUMBER "1" at -324.124,10.529 h0.64 r180; PIN_NUMBER "2" at -324.124,8.679 h0.64 r180; PIN_NUMBER "3" at -323.274,8.679 h0.64 r180; ASSEMBLY_TOP "90R" at -323.064,9.858 h0.64 r270
L14: PIN_NUMBER "2" at -310.51,14.977 h0.64; PIN_NUMBER "1" at -313.304,14.977 h0.64; ASSEMBLY_TOP "0.33uH" at -312.034,15.104 h0.64
L15: PIN_NUMBER "4" at -316.718,75.808 h0.64 r90; PIN_NUMBER "1" at -316.718,76.658 h0.64 r90; PIN_NUMBER "2" at -318.568,76.658 h0.64 r90; PIN_NUMBER "3" at -318.568,75.808 h0.64 r90; ASSEMBLY_TOP "90R" at -316.881,76.106 h0.64 r180
L16: PIN_NUMBER "2" at -316.475,21.392 h0.64 r90; PIN_NUMBER "1" at -316.983,19.106 h0.64 r90; ASSEMBLY_TOP "0.47uH" at -316.602,19.868 h0.64 r90
L17: PIN_NUMBER "2" at -322.28,19.49 h0.64 r180; PIN_NUMBER "1" at -320.502,19.49 h0.64 r180; ASSEMBLY_TOP "0.47uH" at -320.756,19.363 h0.64 r180
L18: PIN_NUMBER "2" at -306.217,25.823 h0.64; PIN_NUMBER "1" at -309.011,25.823 h0.64; ASSEMBLY_TOP "0.47uH" at -307.741,25.95 h0.64
L19: PIN_NUMBER "1" at -295.949,66.98 h0.64 r90; PIN_NUMBER "2" at -295.949,68.58 h0.64 r90; ASSEMBLY_TOP "2.2uH" at -295.568,67.526 h0.64 r90
L20: PIN_NUMBER "1" at -316.714,78.472 h0.64 r90; PIN_NUMBER "4" at -316.714,77.622 h0.64 r90; PIN_NUMBER "2" at -318.564,78.472 h0.64 r90; PIN_NUMBER "3" at -318.564,77.622 h0.64 r90; ASSEMBLY_TOP "90R" at -316.877,77.92 h0.64 r180
LED1: PIN_NUMBER "1" at -252.775,6.169 h1.52; PIN_NUMBER "2" at -251.632,6.296 h1.52; ASSEMBLY_TOP "Yellow" at -253.181,5.026 h0.64
LED2: PIN_NUMBER "1" at -252.775,5.365 h1.52; PIN_NUMBER "2" at -251.632,5.492 h1.52; ASSEMBLY_TOP "Green" at -253.181,4.222 h0.64
LED3: PIN_NUMBER "1" at -329.493,31.561 h1.52; PIN_NUMBER "2" at -328.35,31.688 h1.52; ASSEMBLY_TOP "Green" at -329.9,30.418 h0.64
LED4: PIN_NUMBER "1" at -329.486,30.629 h1.52; PIN_NUMBER "2" at -328.343,30.756 h1.52; ASSEMBLY_TOP "Green" at -329.892,29.486 h0.64
LED5: PIN_NUMBER "1" at -329.486,29.689 h1.52; PIN_NUMBER "2" at -328.343,29.816 h1.52; ASSEMBLY_TOP "Green" at -329.892,28.546 h0.64
LED6: PIN_NUMBER "1" at -329.486,28.767 h1.52; PIN_NUMBER "2" at -328.343,28.894 h1.52; ASSEMBLY_TOP "Green" at -329.892,27.624 h0.64
LED7: PIN_NUMBER "1" at -329.486,27.827 h1.52; PIN_NUMBER "2" at -328.343,27.954 h1.52; ASSEMBLY_TOP "Green" at -329.892,26.684 h0.64
LED8: PIN_NUMBER "1" at -252.775,6.972 h1.52; PIN_NUMBER "2" at -251.632,7.099 h1.52; ASSEMBLY_TOP "Yellow" at -253.181,5.829 h0.64
LED9: PIN_NUMBER "2" at -251.632,7.903 h1.52; PIN_NUMBER "1" at -252.775,7.776 h1.52; ASSEMBLY_TOP "Yellow" at -253.181,6.633 h0.64
LED10: PIN_NUMBER "1" at -252.775,8.58 h1.52; PIN_NUMBER "2" at -251.632,8.707 h1.52; ASSEMBLY_TOP "Yellow" at -253.181,7.437 h0.64
LED11: PIN_NUMBER "2" at -251.632,9.51 h1.52; PIN_NUMBER "1" at -252.775,9.383 h1.52; ASSEMBLY_TOP "Red" at -253.181,8.24 h0.64
MH1: PIN_NUMBER "1" at -253.373,14.3 h0.64; ASSEMBLY_TOP "Hole 3d125MM" at -253.373,14.427 h0.64
MH2: PIN_NUMBER "1" at -327.66,14.3 h0.64; ASSEMBLY_TOP "Hole 3d125MM" at -327.66,14.427 h0.64
MH3: PIN_NUMBER "1" at -327.66,70.655 h0.64; ASSEMBLY_TOP "Hole 3d125MM" at -327.66,70.782 h0.64
MH4: PIN_NUMBER "1" at -253.373,70.655 h0.64; ASSEMBLY_TOP "Hole 3d125MM" at -253.373,70.782 h0.64
OSC1: PIN_NUMBER "3" at -263.069,70.703 h0.08 r180; PIN_NUMBER "1" at -261.444,71.928 h0.08 r180; PIN_NUMBER "4" at -261.444,70.703 h0.08 r180; PIN_NUMBER "2" at -263.069,71.928 h0.08 r180; ASSEMBLY_TOP "32.768kHz" at -262.061,70.915 h0.08 r180
OSC2: PIN_NUMBER "3" at -275.245,49.239 h0.64 r180; PIN_NUMBER "4" at -273.345,49.239 h0.64 r180; PIN_NUMBER "1" at -273.345,47.739 h0.64 r180; PIN_NUMBER "2" at -275.245,47.739 h0.64 r180; ASSEMBLY_TOP "50MHz" at -273.914,47.854 h0.64 r180
Q3: PIN_NUMBER "1" at -258.53,22.09 h0.64 r180; PIN_NUMBER "3" at -258.03,20.85 h0.64 r180; PIN_NUMBER "2" at -257.53,22.09 h0.64 r180; ASSEMBLY_TOP "DMG1012T-7" at -257.903,21.343 h0.64 r180
Q4: PIN_NUMBER "3" at -256.221,20.85 h0.64 r180; PIN_NUMBER "1" at -256.721,22.09 h0.64 r180; PIN_NUMBER "2" at -255.721,22.09 h0.64 r180; ASSEMBLY_TOP "DMG1012T-7" at -256.094,21.343 h0.64 r180
Q5: PIN_NUMBER "2" at -261.595,28.552 h0.64 r270; PIN_NUMBER "1" at -261.595,30.33 h0.64 r270; PIN_NUMBER "3" at -263.627,29.441 h0.64 r270; ASSEMBLY_TOP "CJ3407" at -262.103,29.187 h0.64 r270
Q6: PIN_NUMBER "1" at -268.787,69.068 h0.64; PIN_NUMBER "2" at -267.487,69.068 h0.64; PIN_NUMBER "3" at -268.152,70.846 h0.64; ASSEMBLY_TOP "BSS138W" at -268.025,69.576 h0.64
Q7: PIN_NUMBER "1" at -266.586,69.068 h0.64; PIN_NUMBER "2" at -265.286,69.068 h0.64; PIN_NUMBER "3" at -265.951,70.846 h0.64; ASSEMBLY_TOP "BSS138W" at -265.824,69.576 h0.64
Q8: PIN_NUMBER "1" at -290.872,77.479 h0.64; PIN_NUMBER "2" at -289.572,77.479 h0.64; PIN_NUMBER "3" at -290.237,75.701 h0.64; ASSEMBLY_TOP "BSS138W" at -290.11,76.971 h0.64
Q9: PIN_NUMBER "1" at -285.31,77.479 h0.64; PIN_NUMBER "2" at -284.01,77.479 h0.64; PIN_NUMBER "3" at -284.675,75.701 h0.64; ASSEMBLY_TOP "BSS138W" at -284.548,76.971 h0.64
Q10: PIN_NUMBER "2" at -275.796,68.064 h0.64 r270; PIN_NUMBER "1" at -275.796,67.064 h0.64 r270; PIN_NUMBER "3" at -274.556,67.564 h0.64 r270; ASSEMBLY_TOP "DMG1012T-7" at -274.795,67.437 h0.64 r270
Q12: PIN_NUMBER "4" at -260.25,28.42 h0.64 r90; PIN_NUMBER "3" at -258.75,28.42 h0.64 r90; PIN_NUMBER "1" at -258.75,29.72 h0.64 r90; PIN_NUMBER "6" at -260.25,29.72 h0.64 r90; PIN_NUMBER "2" at -258.75,29.07 h0.64 r90; PIN_NUMBER "5" at -260.25,29.07 h0.64 r90; ASSEMBLY_TOP "BCM857BS-7-F" at -260.034,28.613 h0.64 r90
Q13: PIN_NUMBER "1" at -280.206,61.816 h0.64 r90; PIN_NUMBER "2" at -280.206,60.815 h0.64 r90; PIN_NUMBER "3" at -281.446,61.316 h0.64 r90; ASSEMBLY_TOP "DMG1012T-7" at -280.699,61.443 h0.64 r90
Q14: PIN_NUMBER "2" at -280.206,62.924 h0.64 r90; PIN_NUMBER "1" at -280.206,63.924 h0.64 r90; PIN_NUMBER "3" at -281.446,63.424 h0.64 r90; ASSEMBLY_TOP "DMG1012T-7" at -280.699,63.551 h0.64 r90
R1: PIN_NUMBER "1" at -328.687,52.085 h0.64 r90; PIN_NUMBER "2" at -328.687,53.01 h0.64 r90; ASSEMBLY_TOP "240R" at -328.687,52.675 h0.64 r90
R2: PIN_NUMBER "2" at -324.67,48.844 h0.64 r90; PIN_NUMBER "1" at -324.67,48.285 h0.64 r90; ASSEMBLY_TOP "33R" at -324.162,48.311 h0.64 r90
R3: PIN_NUMBER "2" at -325.331,48.844 h0.64 r90; PIN_NUMBER "1" at -325.331,48.285 h0.64 r90; ASSEMBLY_TOP "33R" at -324.823,48.311 h0.64 r90
R4: PIN_NUMBER "1" at -328.687,42.704 h0.64 r90; PIN_NUMBER "2" at -328.687,43.629 h0.64 r90; ASSEMBLY_TOP "10K" at -328.687,43.294 h0.64 r90
R5: PIN_NUMBER "2" at -317.217,61.615 h0.64 r90; PIN_NUMBER "1" at -317.217,60.69 h0.64 r90; ASSEMBLY_TOP "49.9K" at -316.709,61.28 h0.64 r90
R6: PIN_NUMBER "2" at -318.131,61.615 h0.64 r90; PIN_NUMBER "1" at -318.131,60.69 h0.64 r90; ASSEMBLY_TOP "49.9K" at -317.623,61.28 h0.64 r90
R7: PIN_NUMBER "2" at -319.96,61.615 h0.64 r90; PIN_NUMBER "1" at -319.96,60.69 h0.64 r90; ASSEMBLY_TOP "49.9K" at -319.452,61.28 h0.64 r90
R8: PIN_NUMBER "2" at -322.703,61.615 h0.64 r90; PIN_NUMBER "1" at -322.703,60.69 h0.64 r90; ASSEMBLY_TOP "49.9K" at -322.195,61.28 h0.64 r90
R9: PIN_NUMBER "2" at -323.643,61.615 h0.64 r90; PIN_NUMBER "1" at -323.643,60.69 h0.64 r90; ASSEMBLY_TOP "49.9K" at -323.135,61.28 h0.64 r90
R10: PIN_NUMBER "2" at -319.046,61.615 h0.64 r90; PIN_NUMBER "1" at -319.046,60.69 h0.64 r90; ASSEMBLY_TOP "49.9K" at -318.538,61.28 h0.64 r90
R11: PIN_NUMBER "2" at -320.875,61.615 h0.64 r90; PIN_NUMBER "1" at -320.875,60.69 h0.64 r90; ASSEMBLY_TOP "49.9K" at -320.367,61.28 h0.64 r90
R12: PIN_NUMBER "2" at -321.789,61.615 h0.64 r90; PIN_NUMBER "1" at -321.789,60.69 h0.64 r90; ASSEMBLY_TOP "49.9K" at -321.281,61.28 h0.64 r90
R13: PIN_NUMBER "1" at -323.447,69.797 h0.64 r270; PIN_NUMBER "2" at -323.447,68.872 h0.64 r270; ASSEMBLY_TOP "49.9K" at -323.447,69.207 h0.64 r270
R14: PIN_NUMBER "1" at -322.112,67.908 h0.64; PIN_NUMBER "2" at -321.187,67.908 h0.64; ASSEMBLY_TOP "10K" at -321.268,67.654 h0.64
R15: PIN_NUMBER "2" at -318.285,66.207 h0.64; PIN_NUMBER "1" at -319.21,66.207 h0.64; ASSEMBLY_TOP "10K" at -318.367,65.953 h0.64
R16: PIN_NUMBER "2" at -312.674,61.841 h0.64 r90; PIN_NUMBER "1" at -312.674,61.283 h0.64 r90; ASSEMBLY_TOP "33R" at -312.166,61.308 h0.64 r90
R17: PIN_NUMBER "2" at -275.539,69.731 h0.64 r180; PIN_NUMBER "1" at -274.614,69.731 h0.64 r180; ASSEMBLY_TOP "10K" at -274.95,69.477 h0.64 r180
R18: PIN_NUMBER "2" at -275.552,71.603 h0.64 r180; PIN_NUMBER "1" at -274.627,71.603 h0.64 r180; ASSEMBLY_TOP "10K" at -274.963,71.349 h0.64 r180
R19: PIN_NUMBER "2" at -269.626,64.237 h0.64 r180; PIN_NUMBER "1" at -268.701,64.237 h0.64 r180; ASSEMBLY_TOP "10K" at -269.037,63.983 h0.64 r180
R20: PIN_NUMBER "1" at -318.241,67.934 h0.64; PIN_NUMBER "2" at -317.316,67.934 h0.64; ASSEMBLY_TOP "49.9K" at -317.397,67.68 h0.64
R21: PIN_NUMBER "1" at -270.882,38.378 h0.64; PIN_NUMBER "2" at -269.957,38.378 h0.64; ASSEMBLY_TOP "10K" at -270.038,38.632 h0.64
R22: PIN_NUMBER "1" at -274.627,76.531 h0.64 r180; PIN_NUMBER "2" at -275.552,76.531 h0.64 r180; ASSEMBLY_TOP "49.9K" at -274.963,76.277 h0.64 r180
R23: PIN_NUMBER "1" at -275.552,77.516 h0.64; PIN_NUMBER "2" at -274.627,77.516 h0.64; ASSEMBLY_TOP "10K" at -274.709,77.77 h0.64
R24: PIN_NUMBER "1" at -275.552,75.569 h0.64; PIN_NUMBER "2" at -274.627,75.569 h0.64; ASSEMBLY_TOP "10K" at -274.709,75.823 h0.64
R25: PIN_NUMBER "2" at -274.627,74.583 h0.64; PIN_NUMBER "1" at -275.552,74.583 h0.64; ASSEMBLY_TOP "10K" at -274.709,74.837 h0.64
R26: PIN_NUMBER "2" at -274.627,73.597 h0.64; PIN_NUMBER "1" at -275.552,73.597 h0.64; ASSEMBLY_TOP "10K" at -274.709,73.851 h0.64
R27: PIN_NUMBER "2" at -274.627,72.601 h0.64; PIN_NUMBER "1" at -275.552,72.601 h0.64; ASSEMBLY_TOP "10K" at -274.709,72.855 h0.64
R28: PIN_NUMBER "2" at -266.903,63.19 h0.64 r270; PIN_NUMBER "1" at -266.903,64.115 h0.64 r270; ASSEMBLY_TOP "10K" at -266.395,63.525 h0.64 r270
R29: PIN_NUMBER "1" at -274.721,65.075 h0.64 r180; PIN_NUMBER "2" at -275.646,65.075 h0.64 r180; ASSEMBLY_TOP "10K" at -275.057,64.821 h0.64 r180
R30: PIN_NUMBER "1" at -262.001,69.266 h0.64 r180; PIN_NUMBER "2" at -262.926,69.266 h0.64 r180; ASSEMBLY_TOP "0R" at -262.336,69.52 h0.64 r180
R31: PIN_NUMBER "1" at -263.766,69.718 h0.64 r270; PIN_NUMBER "2" at -263.766,69.159 h0.64 r270; ASSEMBLY_TOP "33R" at -263.766,69.693 h0.64 r270
R32: PIN_NUMBER "2" at -297.561,70.025 h0.64; PIN_NUMBER "1" at -298.486,70.025 h0.64; ASSEMBLY_TOP "0R" at -297.643,69.771 h0.64
R33: PIN_NUMBER "2" at -288.527,68.534 h0.64 r90; PIN_NUMBER "1" at -288.527,67.608 h0.64 r90; ASSEMBLY_TOP "2.49K" at -288.527,68.198 h0.64 r90
R34: PIN_NUMBER "1" at -276.729,11.017 h0.64 r270; PIN_NUMBER "2" at -276.729,10.092 h0.64 r270; ASSEMBLY_TOP "0R" at -276.221,10.427 h0.64 r270
R35: PIN_NUMBER "1" at -286.753,70.318 h0.64 r90; PIN_NUMBER "2" at -286.753,71.243 h0.64 r90; ASSEMBLY_TOP "0R" at -286.753,70.907 h0.64 r90
R36: PIN_NUMBER "1" at -279.396,61.595 h0.64 r270; PIN_NUMBER "2" at -279.396,61.036 h0.64 r270; ASSEMBLY_TOP "10K" at -278.888,61.57 h0.64 r270
R37: PIN_NUMBER "1" at -282.274,61.595 h0.64 r270; PIN_NUMBER "2" at -282.274,61.036 h0.64 r270; ASSEMBLY_TOP "10K" at -281.766,61.57 h0.64 r270
R38: PIN_NUMBER "2" at -325.071,2.062 h0.58 r270; PIN_NUMBER "1" at -325.071,4.882 h0.58 r270; ASSEMBLY_TOP "1M" at -324.329,3.853 h0.64 r270